# Altium PCB BB8_Flywheel_Motors_Panel.PcbDoc
Units mm, origin at the board's own origin, x right, y up, seen from the top; angles counter-clockwise.
Board outline 100 x 100 mm, 2 copper layers (Top Layer, Bottom Layer), stack 1.519 mm thick; 15 components, 0 nets, 37 pads, 240 vias.
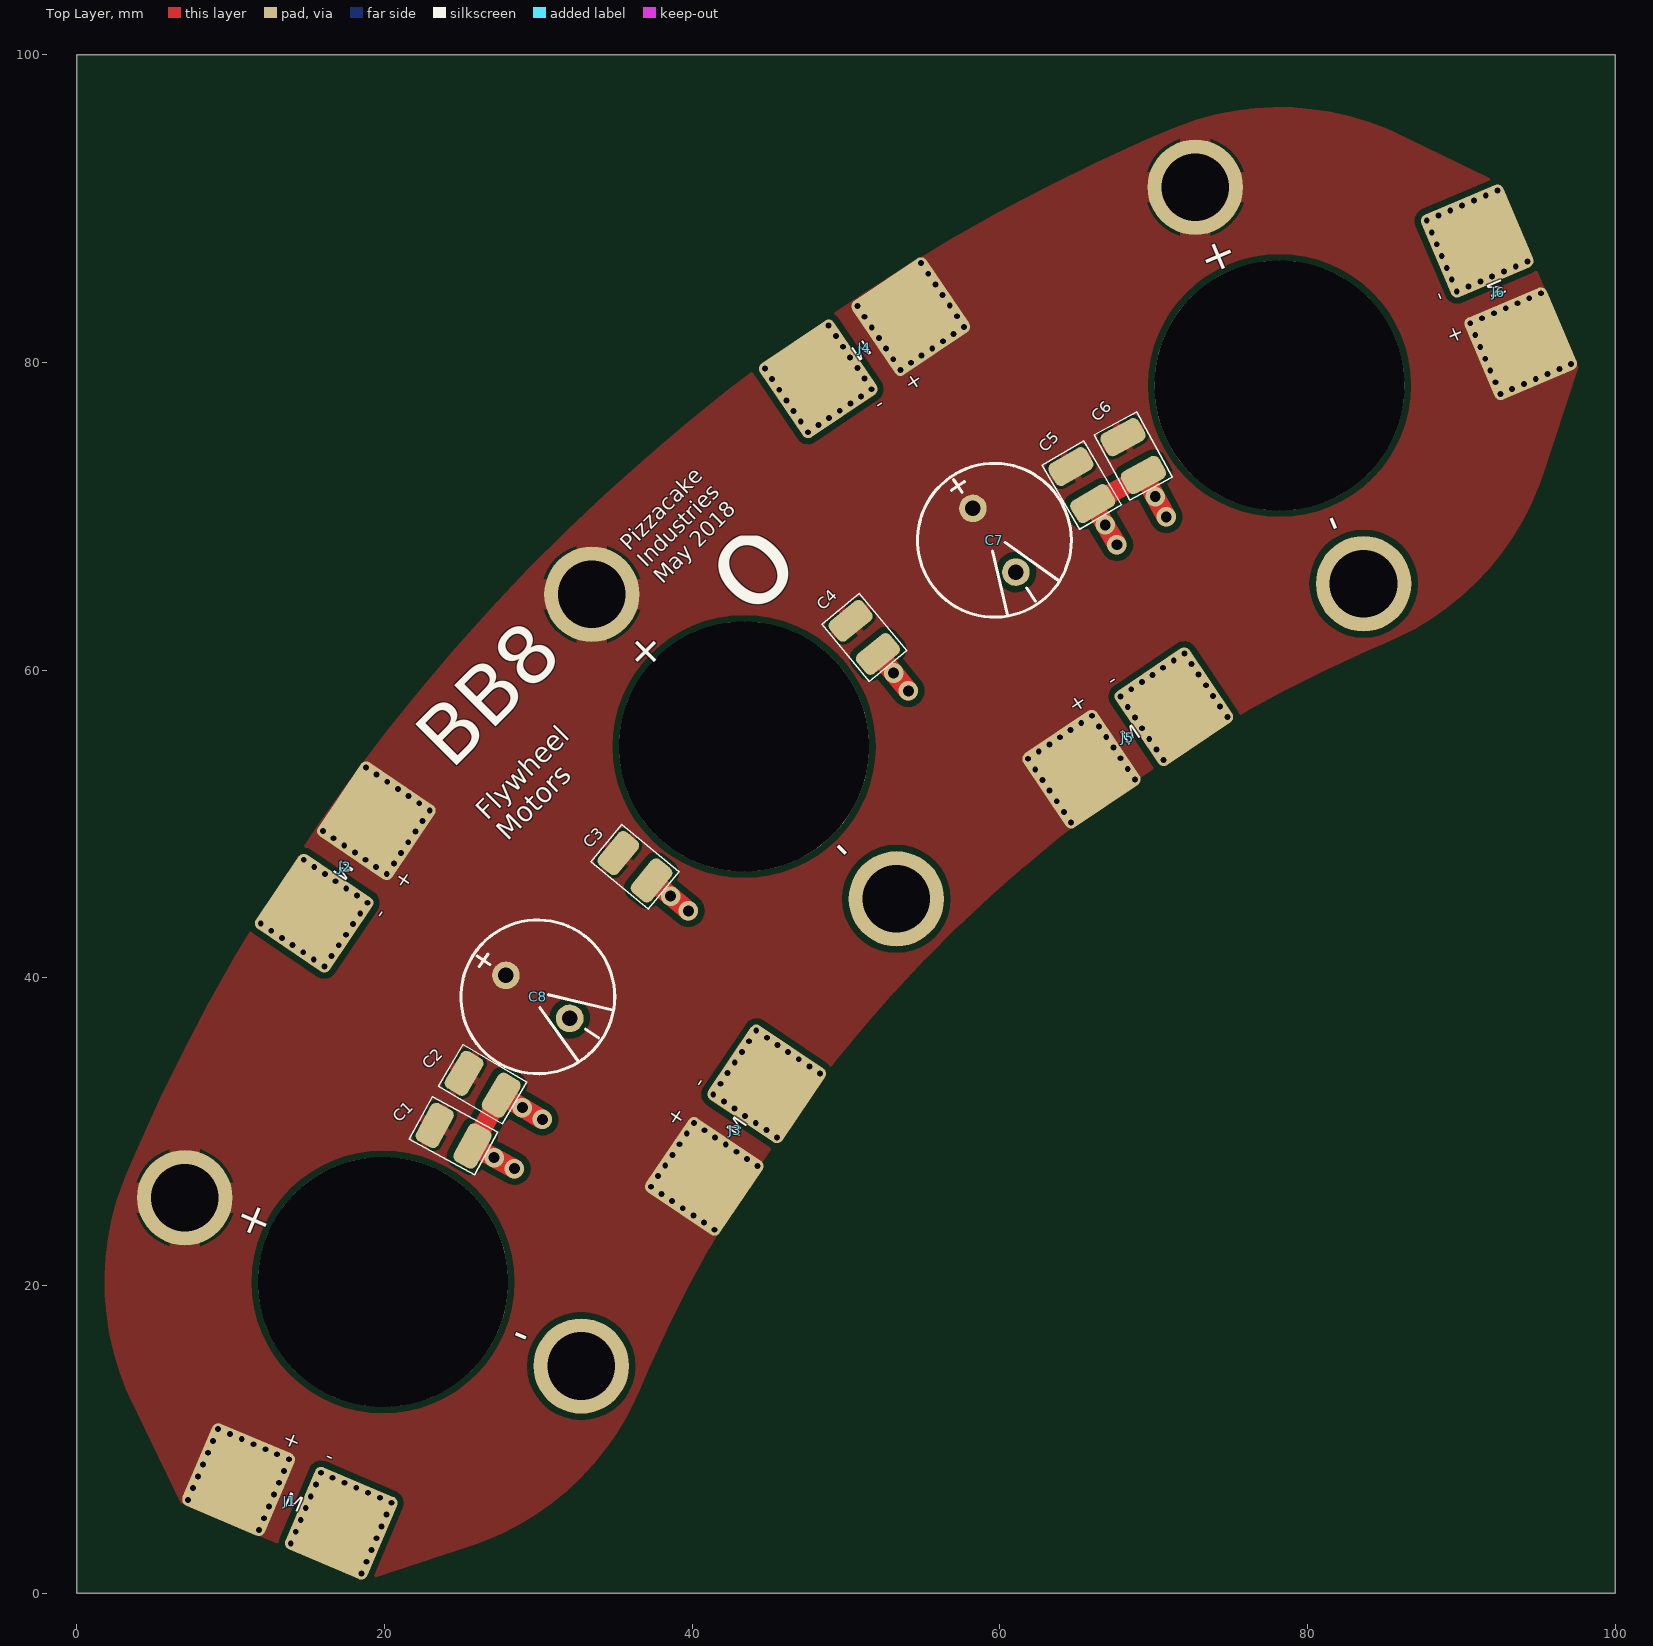
[diagram p0: Top Layer view]
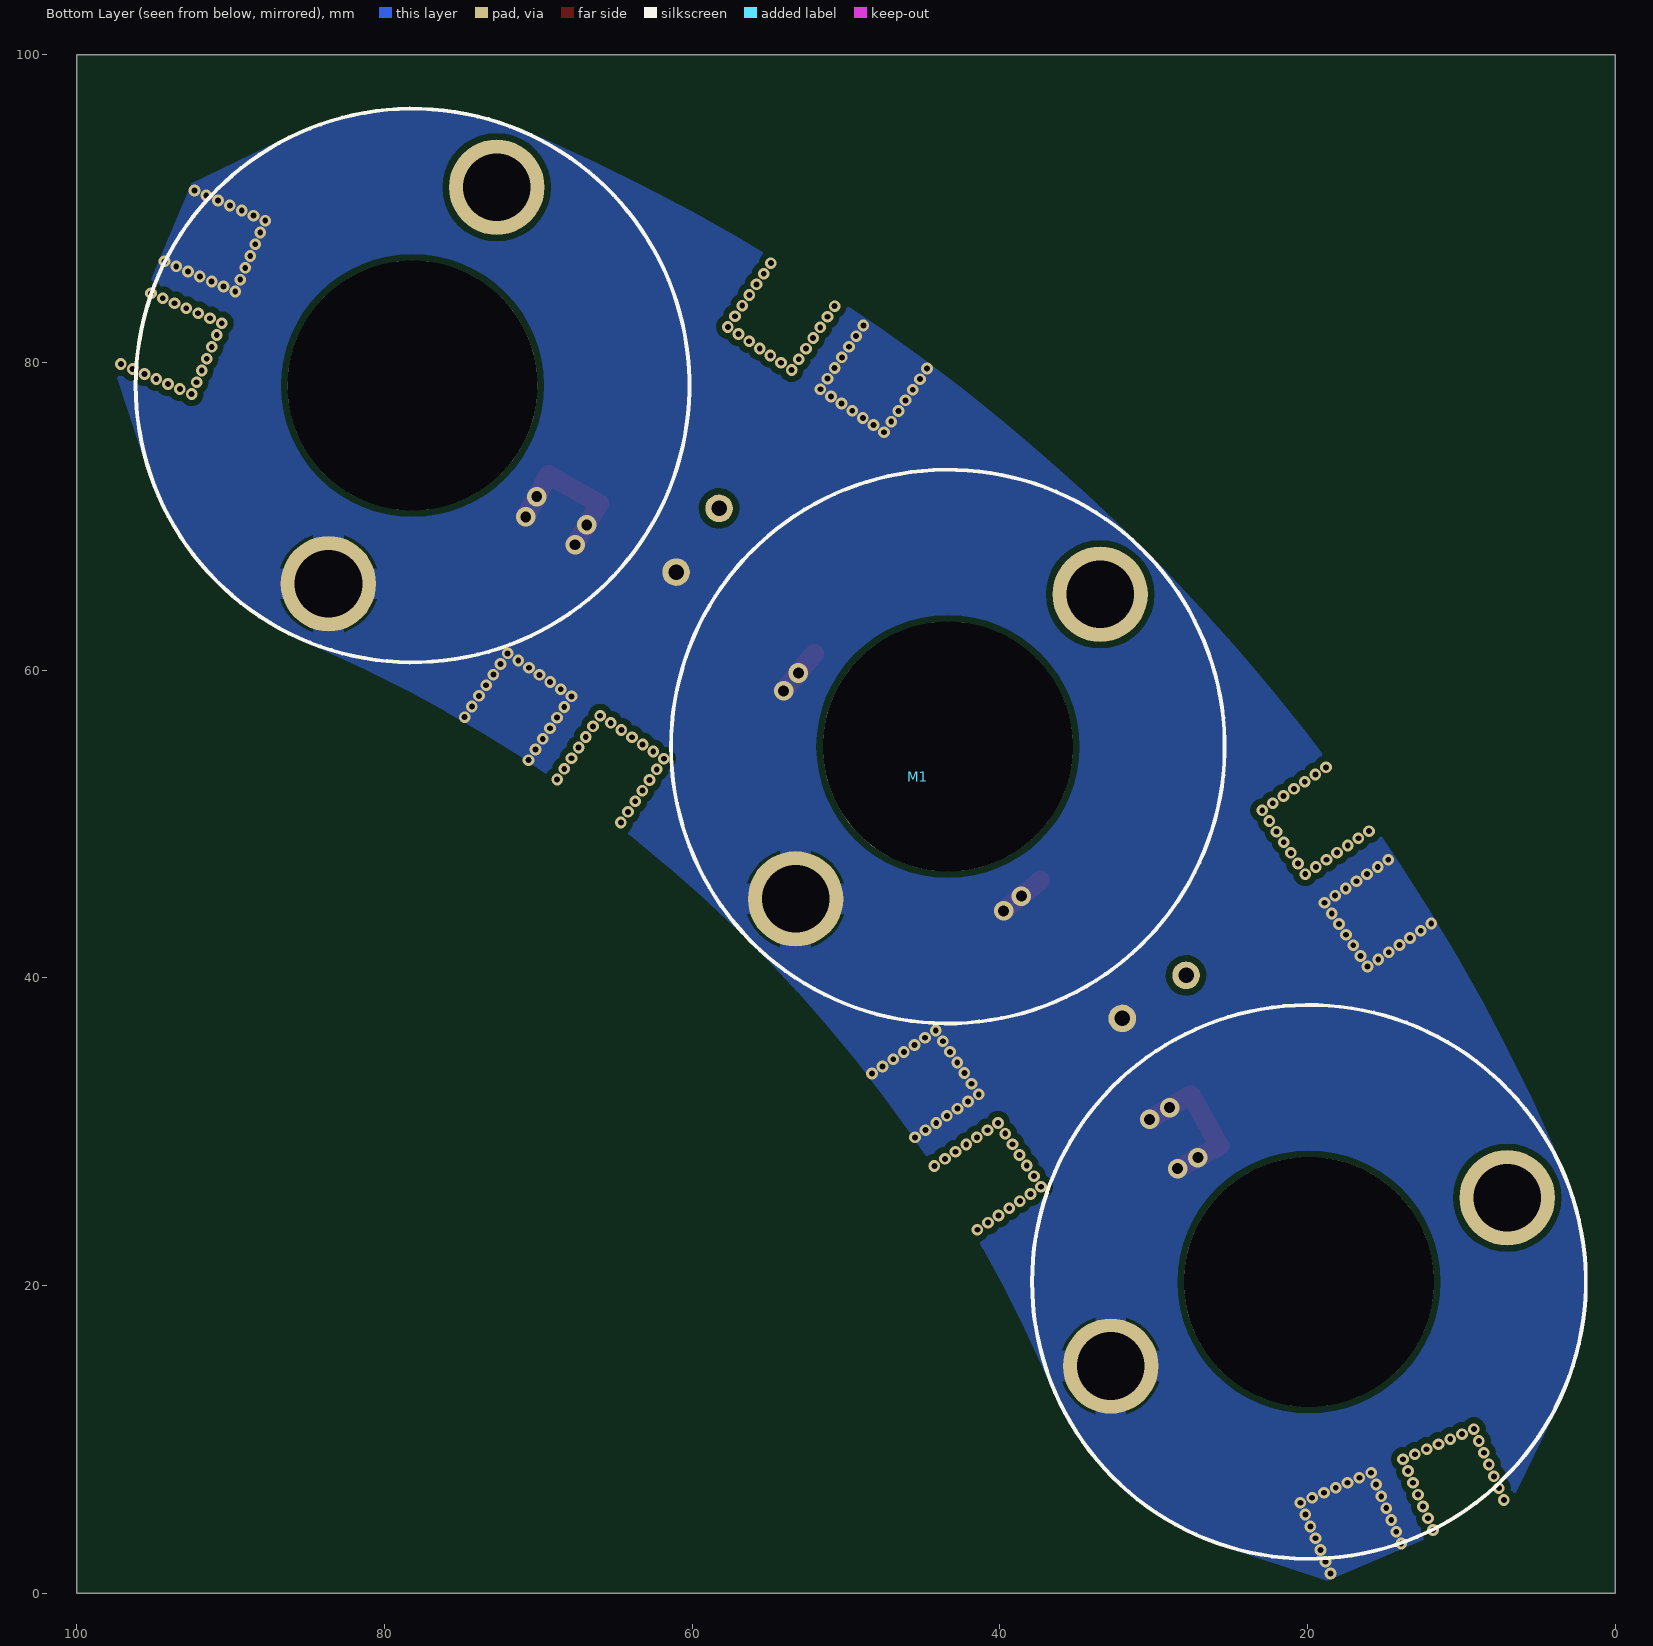
[diagram p1: Bottom Layer view, seen from below]

## Layer stack, top to bottom
Top Solder: solder mask 0.0102, Solder Resist, Dk 3.5
Top Layer: signal copper 0.0356
Dielectric 1: dielectric 1.4478, FR-4, Dk 4.8
Bottom Layer: signal copper 0.0356
Bottom Solder: solder mask 0.0102, Solder Resist, Dk 3.5

## Board outline
0,0 100,0 100,100 0,100

## Design rules (kind name [scope] priority, off if disabled: settings)
BoardOutlineClearance [All] p1: gap=0 ignorepadtopadclearanceinfootprint=FALSE except(0.406: Poly-OutlineEdge)
Clearance Clearance_HV [InNetClass('HV') vs NOT ((OnLayer('Top Overlay') OR OnLayer('Bottom Overlay')))] p1: gap=1.27 ignorepadtopadclearanceinfootprint=FALSE except(0: Arc-Hole Track-Hole SMDPad-Hole THPad-Hole Via-Hole Fill-Hole Poly-Hole Region-Hole Text-Hole; 1.016: THPad-THPad)
Clearance Clearance_MV [InNetClass('MV') vs NOT ((OnLayer('Top Overlay') OR OnLayer('Bottom Overlay')))] p2: gap=0.508 ignorepadtopadclearanceinfootprint=FALSE except(0: Arc-Hole Track-Hole SMDPad-Hole THPad-Hole Via-Hole Fill-Hole Poly-Hole Region-Hole Text-Hole)
Clearance "Polygon Clearance" [InPoly] p3: gap=0.406 ignorepadtopadclearanceinfootprint=FALSE except(0: Arc-Hole Track-Hole SMDPad-Hole THPad-Hole Via-Hole Fill-Hole Poly-Hole Region-Hole Text-Hole)
Clearance [NOT ((OnLayer('Top Overlay') OR OnLayer('Bottom Overlay')))] p4: gap=0.191 ignorepadtopadclearanceinfootprint=FALSE except(0: Arc-Hole Track-Hole SMDPad-Hole THPad-Hole Via-Hole Fill-Hole Poly-Hole Region-Hole Text-Hole)
ComponentClearance [All] p1: gap=0.003 collisioncheckmode=3 verticalgap=0 showdistances=FALSE
DiffPairsRouting [All] p1: maxlimit=0.305 minlimit=0.191 mostfreqgap=0.191 toplayer_minwidth=0.152 toplayer_maxwidth=0.305 toplayer_prefwidth=0.254 bottomlayer_minwidth=0.152 bottomlayer_maxwidth=0.305 bottomlayer_prefwidth=0.254 maxuncoupledlength=12.7
Height [All] p1: minheight=0 maxheight=1000 prefheight=12.7
HoleSize [All] p1: absolutevalues=TRUE maxlimit=6.35 minlimit=0.381 maxpercent=80.000 minpercent=20.000
MinimumSolderMaskSliver [All] p1 off: minsoldermaskwidth=0.102
PlaneClearance PlaneClearance_HV [InNetClass('HV')] p1: clearance=1.27
PlaneClearance PlaneClearance_MV [InNetClass('MV')] p2: clearance=0.762
PlaneClearance [All] p3: clearance=0.508
PlaneConnect [All] p1: planeconnectstyle=Relief reliefexpansion=0.254 reliefentries=4 reliefconductorwidth=0.305 reliefairgap=0.152
PolygonConnect PolygonConnect_XT60 [HasFootprint('J_XT60_SMD_RA_Male')] p1: connectstyle=Direct reliefconductorwidth=2.54 reliefentries=4 polygonreliefangle="90 Angle" airgapwidth=0.191
PolygonConnect [All] p2: thpad.connectstyle=Relief thpad.reliefconductorwidth=2.032 thpad.reliefentries=4 thpad.polygonreliefangle="45 Angle" thpad.airgapwidth=0.191 smdpad.connectstyle=Relief smdpad.reliefconductorwidth=0.508 smdpad.reliefentries=4 smdpad.polygonreliefangle="90 Angle" smdpad.airgapwidth=0.191 via.connectstyle=Direct via.reliefconductorwidth=0.305 via.reliefentries=4 via.polygonreliefangle="90 Angle" via.airgapwidth=0.191
RoutingVias [All] p1: holewidth=0.381 width=0.762 viastyle="Through Hole" minholewidth=0.381 minwidth=0.508 maxholewidth=6.35 maxwidth=12.7
SMDNeckDown [All] p1: percent=100.000
SilkToSilkClearance [All] p1 off: silktosilkclearance=0.254
SilkToSolderMaskClearance [IsPad] p1: minsilkscreentomaskgap=0.152 clearancetoexposedcopper=TRUE
SolderMaskExpansion [All] p1: expansion=0.102
ViasUnderSMD [All] p1: allowed=FALSE
Width [All] p1: maxlimit=25.4 minlimit=0.152 preferedwidth=0.254 minimp=50.000000 maximp=50.000000 favimp=50.000000 checkconnectedcopper=TRUE
21 further rules are at their usual default settings.

## Components (designator, comment, footprint, x,y, rotation, side; value= is the part's Value field where it differs from the comment)
C1 "C_1210_10uF" 1210_Capacitor 24.489,29.739 r151.5 top value=10uF
C2 "C_1210_10uF" 1210_Capacitor 26.379,33.081 r149.5 top value=10uF
C3 "C_1210_10uF" 1210_Capacitor 36.28,47.22 r140.5 top value=10uF
C4 "C_1210_10uF" 1210_Capacitor 51.19,62.131 r129.5 top value=10uF
C5 "C_1210_10uF" 1210_Capacitor 65.329,72.031 r120.5 top value=10uF
C6 "C_1210_10uF" 1210_Capacitor 68.671,73.922 r118.5 top value=10uF
C7 "EKMG500ETD471MJ20S" CAP_RADIAL_10x21.5mm_THRU 59.647,68.446 r304 top value=470uF
C8 "EKMG500ETD471MJ20S" CAP_RADIAL_10x21.5mm_THRU 29.965,38.763 r326 top value=470uF
J1 "XT60" J_XT60_SMD_RA_Male 13.847,5.964 r337 top
J2 "XT60" J_XT60_SMD_RA_Male 17.446,47.207 r236 top
J3 "XT60" J_XT60_SMD_RA_Male 42.815,30.095 r56 top
J4 "XT60" J_XT60_SMD_RA_Male 51.204,80.964 r214 top
J5 "XT60" J_XT60_SMD_RA_Male 68.315,55.596 r34 top
J6 "XT60" J_XT60_SMD_RA_Male 92.446,84.564 r113 top
M1 "BB8 flywheel motor assembly" BB8_Flywheel_Motors_DC_36mm 43.377,55.034 r225 bottom locked

## Footprints (in the part's own frame and the unit in brackets; to place one, negate y for a bottom-side part, rotate by r counter-clockwise, add the part's x,y. Pads: shape width x height; smd on the part's side, far side on the other; paste and mask are expansions set on the pad)
1210_Capacitor [mil] "1210 Capacitor"
  rrect50% 65x110 smd: 1(-55,0) 2(55,0)
  silkscreen extent -95,-62 95,62, body extent -84,-54 82,52, height 36
BB8_Flywheel_Motors_DC_36mm [mm] "3 motors all working together to spin the BB8 Flywheel"
  round 6.2 hole 4.4: 1(-46.451,4.971) 1(0,14) 1(46.451,4.971) 2(-35.962,-20.99) 2(0,-14) 2(35.962,-20.99)
  round 16.25 hole 16.25 unplated: ""(-41.207,-8.01) ""(0,0) ""(41.207,-8.01)
  silkscreen extent -59.21,-26.01 59.2,18, body extent -148.1,-189.48 148.1,38, height 98.01
CAP_RADIAL_10x21.5mm_THRU [mm] "Aluminum Capacitor Radial"
  round 1.8 hole 1: 1(-2.5,0) 2(2.5,0)
  silkscreen extent -5,-5 5,5, body extent -5,-5 5,5, height 20
J_XT60_SMD_RA_Male [mm]
  rrect15% 5.8x5.8 smd: 1(-3.625,0) 2(3.625,0)
  body extent -7.95,-19.45 7.95,1.75, height 6.18

## Part data
C1 C2 C3 C4 C5 C6: "CAP CER 10UF 50V 10% X5R 1210", Manufacturer="Taiyo Yuden", Manufacturer PN=UMK325BJ106KM-T, Package=1210, Supplier Part Number 1=587-2247-1-ND, Supplier 1=Digi-Key, SVP Creator="Matt Rogge"
C7 C8: library part C_EKMG500ETD471MJ20S, "470µF 50V Aluminum Capacitors Radial, Can 1000 Hrs @ 105°C", Supplier Part Number 1=565-3745-1-ND, Supplier 1=Digi-Key
J1 J2 J3 J4 J5 J6: library part J_XT60, "60 Amp XT60 Connector"
M1: library part BB8_Flywheel_Motors

## Via types
v1: diameter 0.762, hole 0.381, Top Layer to Bottom Layer, tented bottom, 228 vias
v2: diameter 1.27, hole 0.711, Top Layer to Bottom Layer, tented both sides, 12 vias

## Nets (pads, with @x,y where several pads share a name; then routed paths per layer and width w, separated by ;. In a path a pad name is that pad's centre, name@x,y a point inside that pad or via, vN(x,y) a via of type N, cw(c..) or ccw(c..) an arc to the next point about the centre after c; other vN are vias at no path point)
pads on no net: C1.1 C1.2 C2.1 C2.2 C3.1 C3.2 C4.1 C4.2 C5.1 C5.2 C6.1 C6.2 C7.1 C7.2 C8.1 C8.2 J1.1 J1.2 J2.1 J2.2 J3.1 J3.2 J4.1 J4.2 J5.1 J5.2 J6.1 J6.2 M1. M1.1 M1.2
copper on no net: | length 26.2
  Top Layer w1.27: v2(28.443,27.592) v2(27.125,28.308) 25.716,29.073 27.583,32.372 v2(28.964,31.558) v2(30.257,30.797) ; 37.358,46.332 v2(38.595,45.312) v2(39.752,44.358) ; 52.079,61.053 v2(53.098,59.816) v2(54.052,58.658) ; v2(67.613,68.154) v2(66.852,69.446) 66.038,70.827 69.338,72.694 v2(70.103,71.285) v2(70.818,69.967)
  other v1: 18.508,1.27 18.834,2.036 19.159,2.803 13.905,3.223 19.485,3.571 14.231,3.99 11.834,4.102 19.811,4.338 14.556,4.757 12.16,4.869 20.136,5.105 14.882,5.524 12.485,5.636 20.462,5.872 7.232,6.056 19.694,6.197 15.208,6.291 12.811,6.403 18.927,6.523 7.557,6.823 18.16,6.849 15.533,7.058 13.136,7.171 17.393,7.174 16.626,7.5 7.883,7.59 15.859,7.825 13.462,7.938 8.209,8.357 13.788,8.705 13.021,9.031 8.534,9.124 12.254,9.356 11.487,9.681 8.859,9.891 10.72,10.007 9.953,10.333 9.185,10.658 41.462,23.62 40.771,24.085 40.081,24.551 39.39,25.017 38.699,25.483 38.008,25.949 37.317,26.415 37.783,27.106 44.258,27.765 38.249,27.797 43.567,28.23 38.715,28.488 42.876,28.696 42.186,29.163 39.181,29.179 41.495,29.628 45.516,29.63 39.647,29.87 40.804,30.094 44.826,30.096 40.113,30.561 44.135,30.562 43.444,31.028 42.753,31.494 42.062,31.96 41.371,32.426 41.838,33.117 48.312,33.775 42.304,33.808 47.622,34.241 42.769,34.499 46.931,34.707 43.236,35.189 46.24,35.173 45.549,35.639 43.702,35.88 44.858,36.105 44.167,36.571 16.093,40.731 15.402,41.197 16.559,41.422 14.711,41.663 17.025,42.113 14.021,42.129 13.33,42.595 17.491,42.804 12.639,43.061 17.957,43.495 11.948,43.527 18.423,44.186 18.889,44.876 18.199,45.343 17.508,45.809 16.817,46.274 16.126,46.741 20.148,46.742 15.435,47.207 19.457,47.208 20.614,47.432 14.744,47.672 18.766,47.674 18.075,48.14 21.08,48.123 17.384,48.606 21.546,48.814 16.693,49.072 22.012,49.505 16.003,49.537 64.635,50.098 22.478,50.196 64.169,50.789 22.943,50.887 22.253,51.353 63.703,51.479 21.562,51.819 63.237,52.17 20.871,52.285 20.18,52.751 62.771,52.861 68.78,52.894 19.489,53.217 62.305,53.552 68.314,53.585 18.799,53.683 70.646,54.152 61.839,54.243 67.848,54.275 62.53,54.709 70.179,54.843 67.382,54.966 63.221,55.175 69.713,55.534 63.912,55.641 66.916,55.657 64.603,56.107 69.248,56.225 66.45,56.348 65.293,56.573 68.782,56.915 74.791,56.948 65.984,57.039 68.316,57.606 74.325,57.639 67.85,58.297 73.859,58.33 68.541,58.763 73.393,59.021 69.232,59.229 69.922,59.695 72.927,59.712 70.613,60.161 72.461,60.403 71.304,60.627 71.995,61.093 47.524,75.467 48.214,75.933 47.057,76.158 48.905,76.399 46.591,76.848 49.596,76.865 50.287,77.331 46.126,77.54 50.978,77.797 92.539,77.949 45.659,78.23 51.669,78.263 93.306,78.274 94.073,78.6 92.213,78.716 45.193,78.921 94.84,78.926 51.203,78.954 95.607,79.251 91.887,79.483 53.534,79.521 96.374,79.577 44.728,79.612 50.737,79.645 97.141,79.902 54.225,79.987 53.068,80.212 91.562,80.25 50.271,80.335 54.916,80.453 52.602,80.903 55.607,80.919 49.805,81.027 91.236,81.017 56.298,81.385 52.136,81.594 49.339,81.717 90.91,81.784 56.989,81.851 51.67,82.285 57.679,82.317 48.873,82.408 90.585,82.551 91.352,82.877 51.204,82.976 57.214,83.008 92.119,83.202 92.886,83.528 50.738,83.666 56.748,83.699 93.653,83.854 94.421,84.179 56.281,84.39 95.187,84.505 89.706,84.623 90.473,84.948 55.816,85.081 91.24,85.273 89.381,85.39 92.007,85.599 55.35,85.772 92.774,85.925 89.055,86.157 93.541,86.25 54.884,86.462 94.308,86.576 88.729,86.924 88.404,87.691 88.078,88.458 87.752,89.225 88.519,89.551 89.286,89.877 90.053,90.202 90.82,90.528 91.587,90.853 92.354,91.179

## Polygon pours and split planes (outlines as drawn)
no net on Top Layer "Motor+" (solid, remove dead copper, pour order 0): -50.315,7.304 91.107,148.725 140.604,99.228 -0.817,-42.194
no net on Bottom Layer "Motor-" (solid, remove dead copper, pour order 2): 91.107,148.725 -50.315,7.304 -0.817,-42.194 140.604,99.228

## Silkscreen, mask and mechanical layers (free items; w line width, h text height)
Top Overlay:
  text "+" at 75.616,86.554 h2.03 r23
  text "-" at 81.184,68.773 h2.03 r293
  text "Pizzacake / Industries / May 2018" at 38.079,65.54 h1.02 r45
  text "o" at 45.173,61.859 h10.16 r45
  text "+" at 35.564,61.41 h2.03 r315
  text "BB8" at 24.339,53.417 h3.81 r45
  text "Flywheel / Motors" at 28.021,48.837 h1.27 r45
  text "-" at 48.855,48.119 h2.03 r315
  text "+" at 11.856,22.794 h2.03 r67
  text "-" at 29.637,17.227 h2.03 r157
Mechanical 1:
  lines w0.254: 3.069,12.56 6.459,5.56 18.688,0.369 26.078,2.793 ccw(c19.903,20.232) 36.932,13.004 cw(c121.159,-22.748) 85.407,61.478 ccw(c78.178,78.507) 95.617,72.332 98.041,79.722 92.85,91.952 85.85,95.342 ccw(c78.178,78.507) 70.95,95.537 ccw(c121.159,-22.748) 2.874,27.461 ccw(c19.903,20.232) 3.069,12.56

## Text inside footprints (layer, text, board x,y; h text height)
J1: Top Overlay "+" at 13.276,9.737 h1 r337; Top Overlay "-" at 16.037,8.565 h1 r337; Top Overlay "M" at 13.372,5.677 h1 r337
J2: Top Overlay "+" at 21.259,47.047 h1 r236; Top Overlay "-" at 19.581,44.56 h1 r236; Top Overlay "M" at 17.255,47.728 h1 r236
J3: Top Overlay "+" at 39.002,30.255 h1 r56; Top Overlay "-" at 40.679,32.742 h1 r56; Top Overlay "M" at 43.006,29.574 h1 r56
J4: Top Overlay "+" at 54.679,79.388 h1 r214; Top Overlay "-" at 52.192,77.711 h1 r214; Top Overlay "M" at 51.221,81.519 h1 r214
J5: Top Overlay "+" at 64.839,57.172 h1 r34; Top Overlay "-" at 67.327,58.849 h1 r34; Top Overlay "M" at 68.297,55.041 h1 r34
J6: Top Overlay "+" at 90.236,81.453 h1 r113; Top Overlay "-" at 89.064,84.214 h1 r113; Top Overlay "M" at 92.988,84.44 h1 r113